# KiCad board Panel2.kicad_pcb
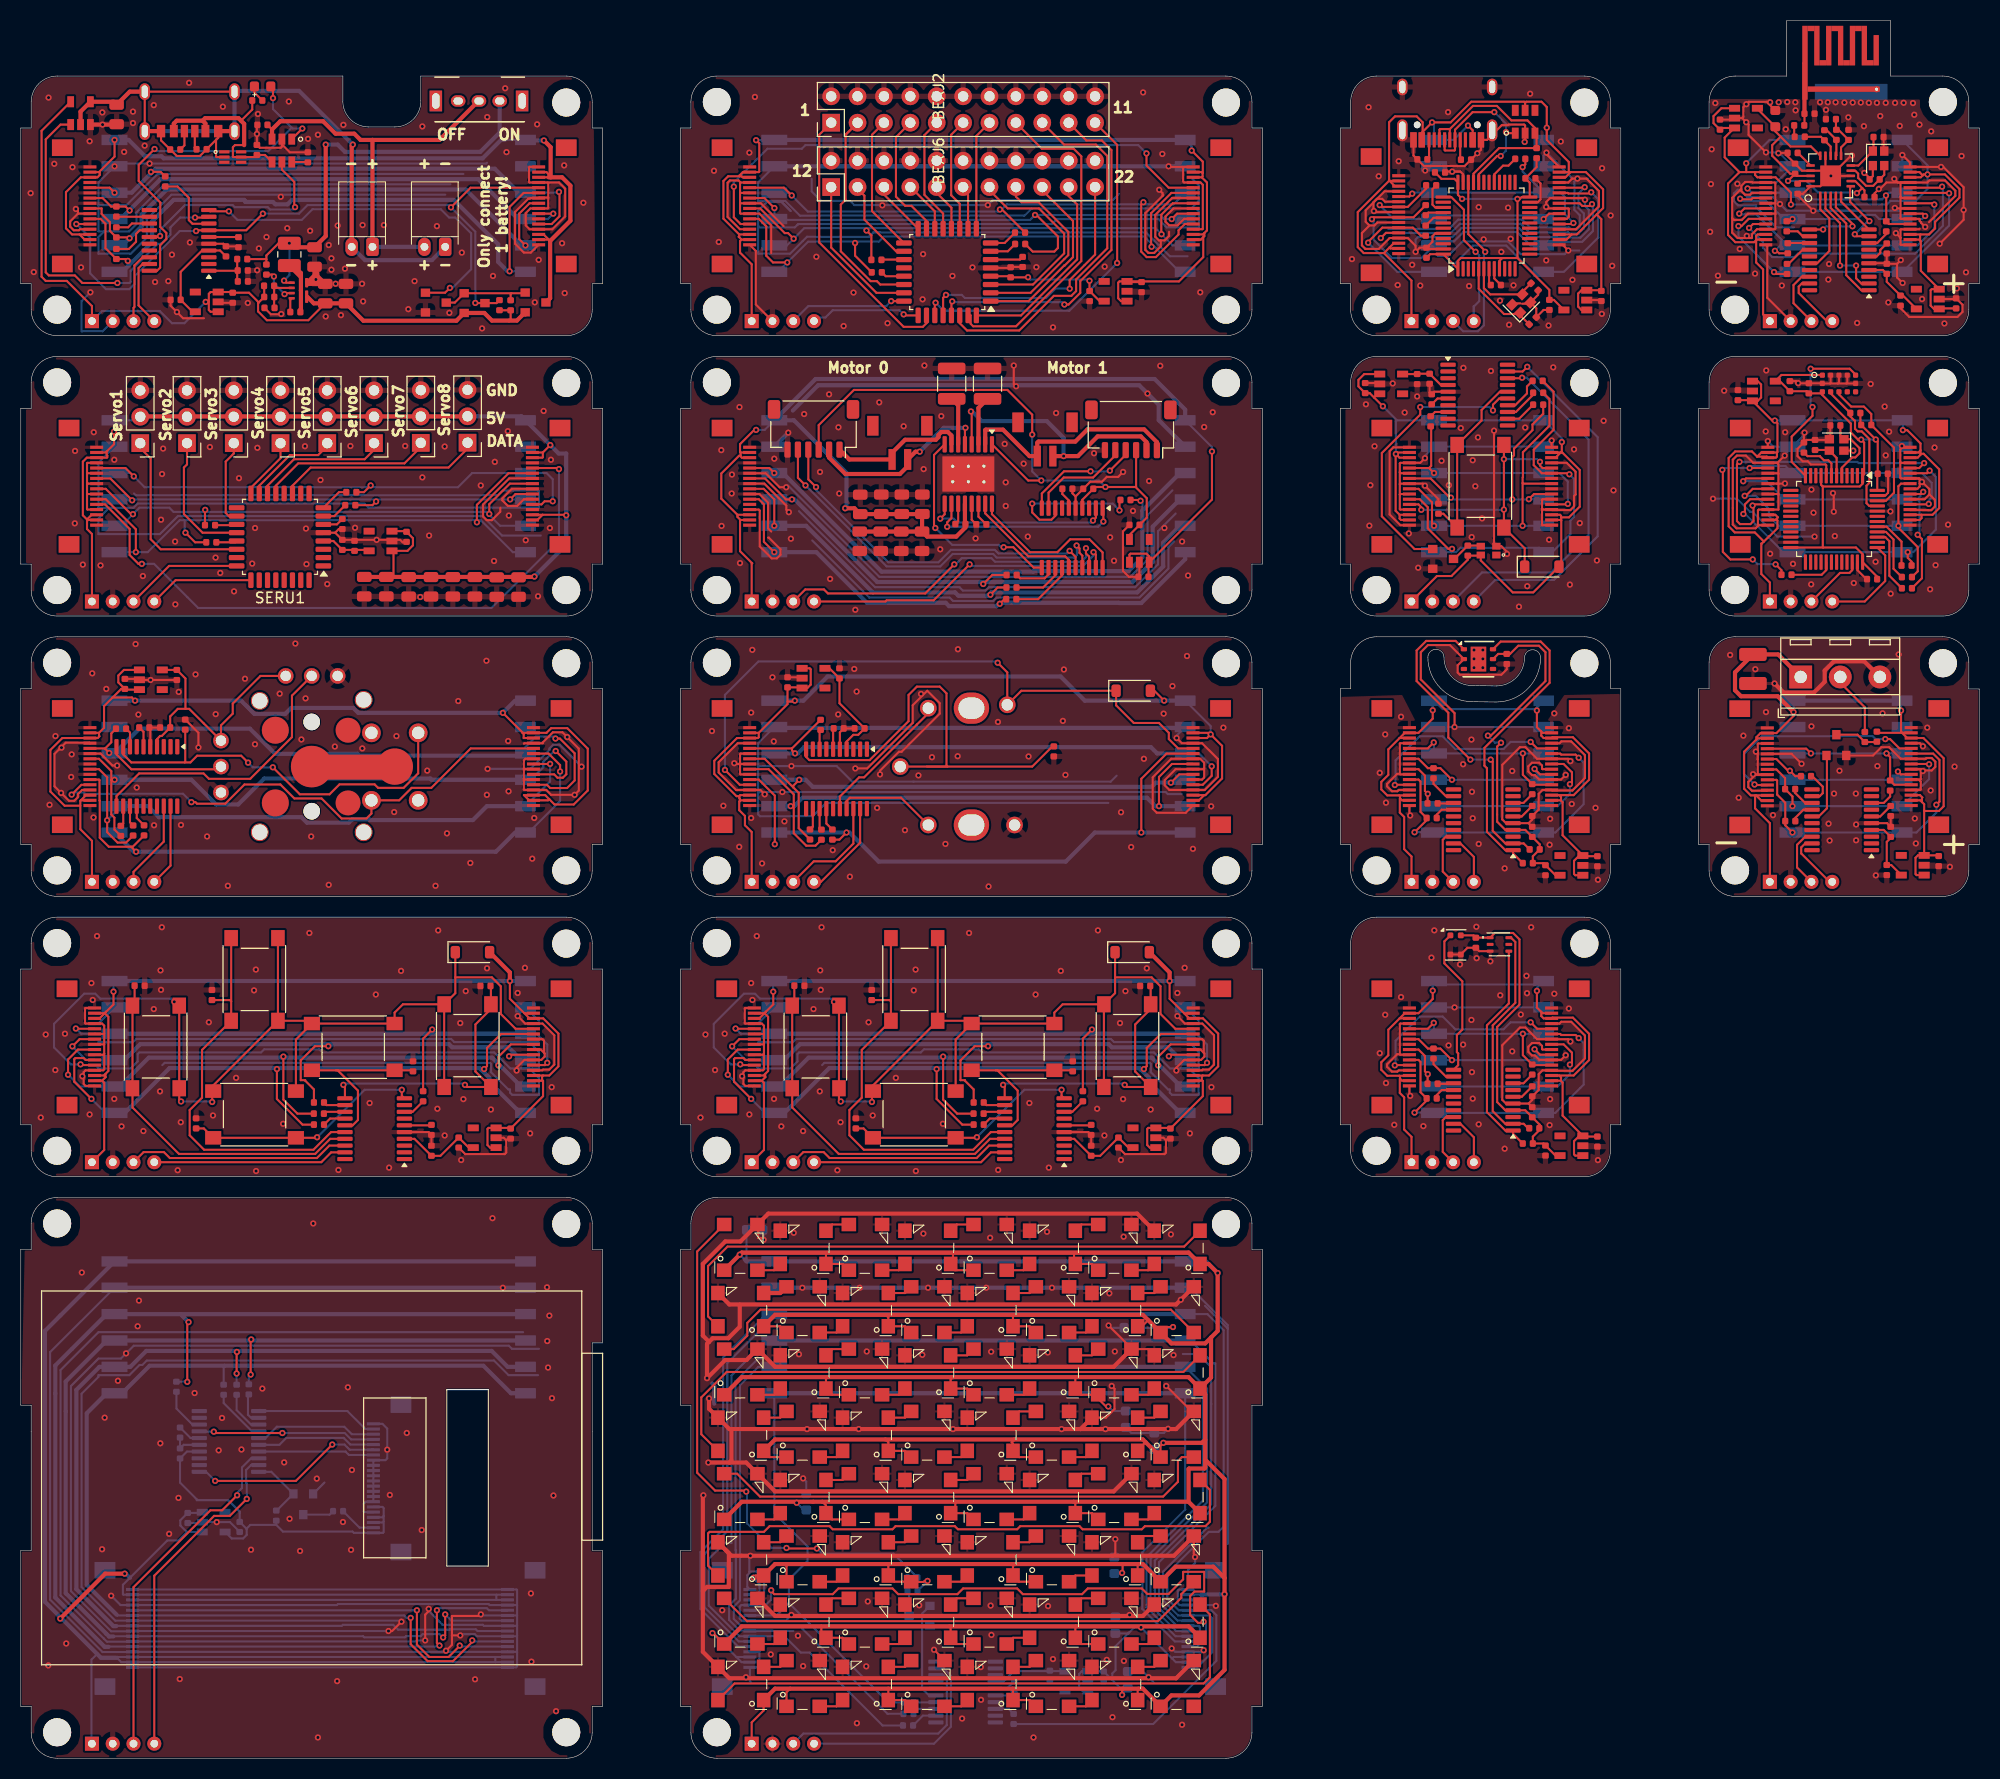
[diagram p0: board, top side]
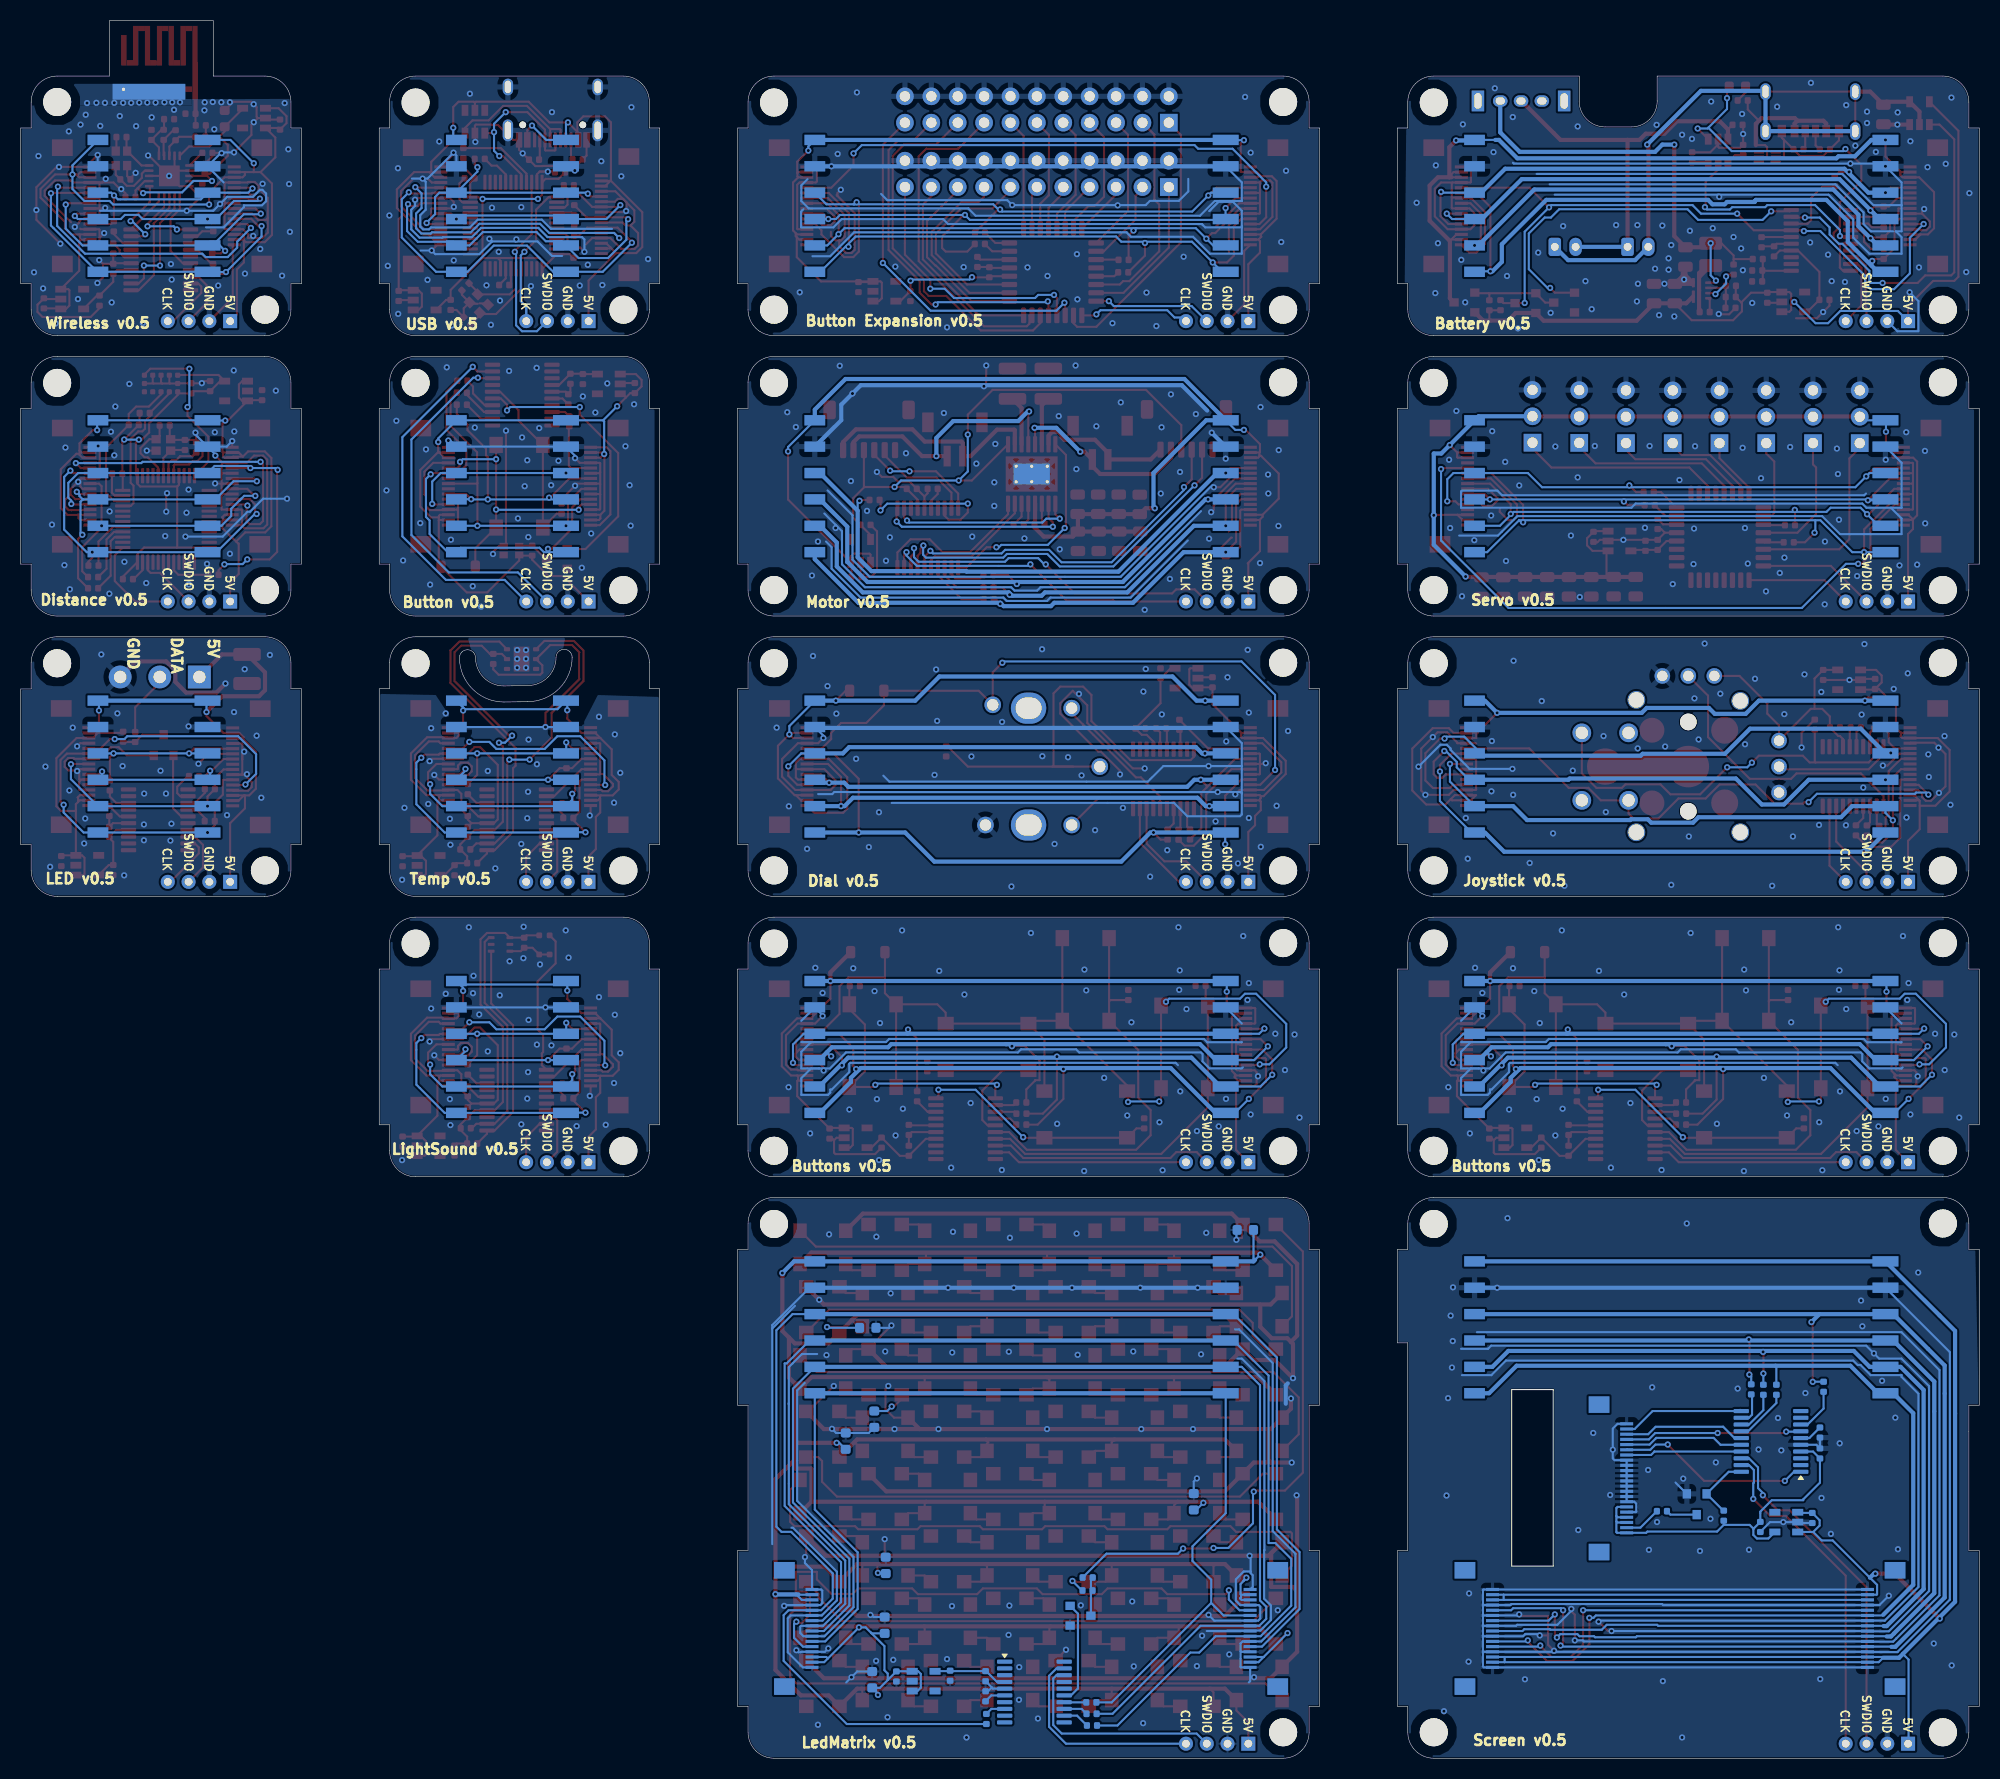
[diagram p1: board, bottom side, seen from below]

Outline 188.5 x 167.32 mm; copper layers: Top, Bottom. Coordinates in mm from the lower left corner of the outline.
Outline path: 31,159.6 31,162 3.5,162 arc(1.73,161.27) 1,159.5 1,157 0,157 0,142 1,142 1,139.5 arc(1.73,137.73) 3.5,137 52.5,137 arc(54.27,137.73) 55,139.5 55,142 56,142 56,157 55,157 55,159.5 arc(54.27,161.27) 52.5,162 38.5,162 38.5,159.6 ; 30.99,159.6 arc(31.73,157.83) 33.49,157.1 36.01,157.1 arc(37.78,157.83) 38.51,159.6 ; 0,130 0,115 1,115 1,112.5 arc(1.73,110.73) 3.5,110 52.5,110 arc(54.27,110.73) 55,112.5 55,115 56,115 56,130 55,130 55,132.5 arc(54.27,134.27) 52.5,135 3.5,135 arc(1.73,134.27) 1,132.5 1,130 0,130 ; 0,103 0,88 1,88 1,85.5 arc(1.73,83.73) 3.5,83 52.5,83 arc(54.27,83.73) 55,85.5 55,88 56,88 56,103 55,103 55,105.5 arc(54.27,107.27) 52.5,108 3.5,108 arc(1.73,107.27) 1,105.5 1,103 0,103 ; 0,76 0,61 1,61 1,58.5 arc(1.73,56.73) 3.5,56 52.5,56 arc(54.27,56.73) 55,58.5 55,61 56,61 56,76 55,76 55,78.5 arc(54.27,80.27) 52.5,81 3.5,81 arc(1.73,80.27) 1,78.5 1,76 0,76 ; 0,49 0,34 1,34 1,20 0,20 0,5 1,5 1,2.5 arc(1.73,0.73) 3.5,0 52.5,0 arc(54.27,0.73) 55,2.5 55,5 56,5 56,20 55,20 55,40 56,40 56,49 55,49 55,51.5 arc(54.27,53.27) 52.5,54 3.5,54 arc(1.73,53.27) 1,51.5 1,49 0,49 ; 41,35.5 41,18.5 45,18.5 45,35.5 41,35.5 ; 63.5,157 63.5,142 64.5,142 64.5,139.5 arc(65.23,137.73) 67,137 116,137 arc(117.77,137.73) 118.5,139.5 118.5,142 119.5,142 119.5,157 118.5,157 118.5,159.5 arc(117.77,161.27) 116,162 67,162 arc(65.23,161.27) 64.5,159.5 64.5,157 63.5,157 ; 63.5,130 63.5,115 64.5,115 64.5,112.5 arc(65.23,110.73) 67,110 116,110 arc(117.77,110.73) 118.5,112.5 118.5,115 119.5,115 119.5,130 118.5,130 118.5,132.5 arc(117.77,134.27) 116,135 67,135 arc(65.23,134.27) 64.5,132.5 64.5,130 63.5,130 ; 63.5,103 63.5,88 64.5,88 64.5,85.5 arc(65.23,83.73) 67,83 116,83 arc(117.77,83.73) 118.5,85.5 118.5,88 119.5,88 119.5,103 118.5,103 118.5,105.5 arc(117.77,107.27) 116,108 67,108 arc(65.23,107.27) 64.5,105.5 64.5,103 63.5,103 ; 63.5,76 63.5,61 64.5,61 64.5,58.5 arc(65.23,56.73) 67,56 116,56 arc(117.77,56.73) 118.5,58.5 118.5,61 119.5,61 119.5,76 118.5,76 118.5,78.5 arc(117.77,80.27) 116,81 67,81 arc(65.23,80.27) 64.5,78.5 64.5,76 63.5,76 ; 63.5,49 63.5,34 64.5,34 64.5,20 63.5,20 63.5,5 64.5,5 64.5,2.5 arc(65.23,0.73) 67,0 116,0 arc(117.77,0.73) 118.5,2.5 118.5,5 119.5,5 119.5,20 118.5,20 118.5,34 119.5,34 119.5,49 118.5,49 118.5,51.5 arc(117.77,53.27) 116,54 67,54 arc(65.23,53.27) 64.5,51.5 64.5,49 63.5,49 ; 127,157 127,142 128,142 128,139.5 arc(128.73,137.73) 130.5,137 150.5,137 arc(152.27,137.73) 153,139.5 153,142 154,142 154,157 153,157 153,159.5 arc(152.27,161.27) 150.5,162 130.5,162 arc(128.73,161.27) 128,159.5 128,157 127,157 ; 127,115 127,130 128,130 128,132.5 arc(128.73,134.27) 130.5,135 150.5,135 arc(152.27,134.27) 153,132.5 153,130 154,130 154,115 153,115 153,112.5 arc(152.27,110.73) 150.5,110 130.5,110 arc(128.73,110.73) 128,112.5 128,115 127,115 ; 127,103 127,88 128,88 128,85.5 arc(128.73,83.73) 130.5,83 150.5,83 arc(152.27,83.73) 153,85.5 153,88 154,88 154,103 153,103 153,105.5 arc(152.27,107.27) 150.5,108 130.5,108 arc(128.73,107.27) 128,105.5 128,103 127,103 ; 127,76 127,61 128,61 128,58.5 arc(128.73,56.73) 130.5,56 150.5,56 arc(152.27,56.73) 153,58.5 153,61 154,61 154,76 153,76 153,78.5 arc(152.27,80.27) 150.5,81 130.5,81 arc(128.73,80.27) 128,78.5 128,76 127,76 ; 135.43,106.04 arc(136.22,106.79) 136.98,106.02 arc(137.78,104.1) 139.69,103.31 142,103.27 arc(143.93,104.07) 144.73,106 arc(145.51,106.76) 146.28,106 arc(145.03,102.97) 142,101.72 139.7,101.75 arc(136.68,103.01) 135.43,106.04 ; 161.5,157 161.5,142 162.5,142 162.5,139.5 arc(163.23,137.73) 165,137 185,137 arc(186.77,137.73) 187.5,139.5 187.5,142 188.5,142 188.5,157 187.5,157 187.5,159.5 arc(186.77,161.27) 185,162 179.97,162 179.97,167.33 169.97,167.33 169.97,162 165,162 arc(163.23,161.27) 162.5,159.5 162.5,157 161.5,157 ; 161.5,130 161.5,115 162.5,115 162.5,112.5 arc(163.23,110.73) 165,110 185,110 arc(186.77,110.73) 187.5,112.5 187.5,115 188.5,115 188.5,130 187.5,130 187.5,132.5 arc(186.77,134.27) 185,135 165,135 arc(163.23,134.27) 162.5,132.5 162.5,130 161.5,130 ; 161.5,103 161.5,88 162.5,88 162.5,85.5 arc(163.23,83.73) 165,83 185,83 arc(186.77,83.73) 187.5,85.5 187.5,87.98 188.5,87.98 188.5,102.98 187.5,102.98 187.5,105.5 arc(186.77,107.27) 185,108 165,108 arc(163.23,107.27) 162.5,105.5 162.5,103 161.5,103
Stack: Top 0.035mm / dielectric 1.51mm FR4 er 4.5 / Bottom 0.035mm

## Placement (name value [footprint] x y rotation side)
BATC1  0.1uF  [C_0402_1005Metric]  20.95 146 0 top
BATC2  4.7uF  [C_0402_1005Metric]  19.75 145.12 180 top
BATC3  0.1uF  [C_0402_1005Metric]  21.36 143.28 90 top
BATC5  22uF_25V  [C_0805_2012Metric]  28.27 144.57 0 top
BATC6  10nF  [C_0402_1005Metric]  26.43 139.28 270 top
BATC7  10pF  [C_0402_1005Metric]  23.9 141.8 90 top
BATC8  4.7uF  [C_0402_1005Metric]  20.4 140.65 0 top
BATC9  4.7uF  [C_0402_1005Metric]  14.9 140.45 270 top
BATC10  22uF_25V  [C_0805_2012Metric]  31.3 141.05 180 top
BATC11  22uF_25V  [C_0805_2012Metric]  29.3 141.05 180 top
BATC13  4.7uF  [C_0402_1005Metric]  22.73 154.88 180 top
BATC14  4.7uF  [C_0402_1005Metric]  23.26 157.3 270 top
BATD2  red_led  [LED_SML-D12D1WT86]  23.27 161 270 top
BATH1  M2.5MountingHole  [MountingHole_2.7mm_M2.5_ISO7380]  3.5 139.5 0 top
BATH2  M2.5MountingHole  [MountingHole_2.7mm_M2.5_ISO7380]  52.5 159.45 0 top
BATIC1  -  [USBLC6-2P6]  20.4 154.2 270 top
BATIGNORE1  Battery v0.5  [BoardText]  47.8 137.3 0 top
BATIGNORE2  ON  [BoardText]  47.04 155.5 180 bottom
BATIGNORE3  OFF  [BoardText]  41.45 155.5 180 bottom
BATIGNORE4  +  [BoardText]  38.85 143 180 bottom
BATIGNORE4#2  +  [BoardText]  38.85 152.76 180 bottom
BATIGNORE5  -  [BoardText]  40.85 143 180 bottom
BATIGNORE5#2  -  [BoardText]  40.85 152.76 180 bottom
BATIGNORE6  -  [BoardText]  31.79 152.75 180 bottom
BATIGNORE6#2  -  [BoardText]  31.79 142.99 180 bottom
BATIGNORE7  +  [BoardText]  33.84 152.75 180 bottom
BATIGNORE7#2  +  [BoardText]  33.84 142.99 180 bottom
BATIGNORE8  Only connect  [BoardText]  45.45 148.45 270 bottom
BATIGNORE9  1 battery!  [BoardText]  45.45 148.65 90 bottom
BATJ1  -  [FFC_connector_16p_hinge_lock]  5.5 149.5 180 top
BATJ2  USB_C_power_only_connector  [USB_C_Receptacle_power_only_6P]  16.25 158.6 0 top
BATJ3  -  [FFC_connector_16p_hinge_lock]  51 149.5 0 top
BATJ4  swd_4pin  [swd_header]  6.85 138.4 90 top
BATJ5  ConnBattery_JST_S2B-PH-K-S  [JST_PH_S2B-PH-K_1x02_P2.00mm_Horizontal]  32.85 145.55 180 top
BATJ6  -  [01x06_2.54mm_Female]  48.4 149.5 0 bottom
BATJ7  -  [01x06_2.54mm_Male]  9.1 149.5 180 bottom
BATJ8  ConnBattery_JST_S2B-PH-K-S  [JST_PH_S2B-PH-K_1x02_P2.00mm_Horizontal]  39.85 145.55 180 top
BATL1  1uH_3.2A  [L_1008_2520Metric]  25.85 144.82 90 top
BATQ2  PMOS_2A  [SOT-23]  43.67 140.13 270 top
BATQ5  N_MOSFET  [SOT-23]  39.95 140.19 270 top
BATQ6  PMOS_2A  [SOT-23]  49.55 140.2 270 top
BATR1  75R  [R_0402_1005Metric]  13.9 151.85 180 top
BATR2  75R  [R_0402_1005Metric]  9.2 144.87 0 top
BATR3  75R  [R_0402_1005Metric]  9.2 148.95 180 top
BATR4  75R  [R_0402_1005Metric]  9.2 146.95 0 top
BATR9  510K  [R_0402_1005Metric]  23.91 140.72 90 top
BATR10  150K  [R_0402_1005Metric]  23.94 139.68 270 top
BATR11  5.1K  [R_0402_1005Metric]  14.87 154.93 270 top
BATR12  5.1K  [R_0402_1005Metric]  17.4 154.95 90 top
BATR13  0.01R  [R_0805_2012Metric]  9.22 158.3 0 top
BATR14  100K  [R_0402_1005Metric]  21.32 144.38 270 top
BATR15  100K  [R_0402_1005Metric]  21.38 142.22 90 top
BATR16  330R  [R_0402_1005Metric]  22.77 159.65 90 top
BATR17  5.1K  [R_0402_1005Metric]  27.63 154.18 180 top
BATR18  10K  [R_0402_1005Metric]  23.64 143.37 0 top
BATR19  10K  [R_0402_1005Metric]  47.15 139.93 180 top
BATR20  100K  [R_0402_1005Metric]  46.08 139.94 180 top
BATSW1  -  [side_spst_switch]  44.1 159.6 180 top
BATU2  ME6211C33M5G-N  [SOT-23-5]  17.9 140.25 90 top
BATU3  STM32G030F6P6  [TSSOP-20_4.4x6.5mm_P0.65mm]  15.24 146.18 180 top
BATU5  -  [TPS61230A]  26.77 141.35 90 top
BATU6  INA180A3  [SOT-23-5]  5.75 158.43 0 top
BATU8  TP4057  [SOT-23-6]  25.13 154.82 180 top
BEXC3  0.1uF  [C_0402_1005Metric]  96.42 144.1 0 top
BEXC4  4.7uF  [C_0402_1005Metric]  95.28 143.1 180 top
BEXC8  4.7uF  [C_0402_1005Metric]  107.88 141.68 0 top
BEXC9  4.7uF  [C_0402_1005Metric]  102.88 140.81 0 top
BEXH1  M2.5MountingHole  [MountingHole_2.7mm_M2.5_ISO7380]  67 139.5 0 top
BEXH2  M2.5MountingHole  [MountingHole_2.7mm_M2.5_ISO7380]  116 159.45 0 top
BEXH3  M2.5MountingHole  [MountingHole_2.7mm_M2.5_ISO7380]  67 159.5 0 top
BEXH4  M2.5MountingHole  [MountingHole_2.7mm_M2.5_ISO7380]  116 139.5 0 top
BEXIGNORE1  Button Expansion v0.5  [BoardText]  104.42 137.57 0 top
BEXIGNORE2  1  [BoardText]  75.48 157.85 180 bottom
BEXIGNORE3  11  [BoardText]  106.07 158.11 180 bottom
BEXIGNORE4  12  [BoardText]  75.19 151.99 180 bottom
BEXIGNORE5  22  [BoardText]  106.19 151.43 180 bottom
BEXJ1  -  [01x06_2.54mm_Male]  72.6 149.5 180 bottom
BEXJ2  Conn_02x11_Odd_Even  [PinHeader_2x11_P2.54mm_Vertical]  90.69 158.76 90 top
BEXJ3  -  [01x06_2.54mm_Female]  111.9 149.5 0 bottom
BEXJ4  swd_4pin  [swd_header]  70.35 138.4 90 top
BEXJ5  -  [FFC_connector_16p_hinge_lock]  69 149.5 180 top
BEXJ6  Conn_02x11_Odd_Even  [PinHeader_2x11_P2.54mm_Vertical]  90.69 152.56 90 top
BEXJ7  -  [FFC_connector_16p_hinge_lock]  114 149.5 0 top
BEXR5  75R  [R_0402_1005Metric]  96.19 145.82 90 top
BEXR6  75R  [R_0402_1005Metric]  82.36 144.3 270 top
BEXR7  75R  [R_0402_1005Metric]  82.39 143.1 270 top
BEXR8  75R  [R_0402_1005Metric]  96.18 146.93 90 top
BEXU1  STM32G030K6T6  [LQFP-32_7x7mm_P0.8mm]  89.17 143.12 180 top
BEXU2  ME6211C33M5G-N  [SOT-23-5]  105.38 141.28 90 top
BLKC1  0.1uF  [C_0402_1005Metric]  103.03 60.51 0 top
BLKC2  4.7uF  [C_0402_1005Metric]  103.03 58.5 180 top
BLKC8  4.7uF  [C_0402_1005Metric]  110.65 60.16 0 top
BLKC9  4.7uF  [C_0402_1005Metric]  105.65 59.29 0 top
BLKD2  1N4148W  [D_SOD-123]  106.97 77.62 0 top
BLKH1  M2.5MountingHole  [MountingHole_2.7mm_M2.5_ISO7380]  67 58.5 0 top
BLKH2  M2.5MountingHole  [MountingHole_2.7mm_M2.5_ISO7380]  116 78.45 0 top
BLKH3  M2.5MountingHole  [MountingHole_2.7mm_M2.5_ISO7380]  67 78.5 0 top
BLKH4  M2.5MountingHole  [MountingHole_2.7mm_M2.5_ISO7380]  116 58.5 0 top
BLKIGNORE1  Buttons v0.5  [BoardText]  109.5 56.17 0 top
BLKJ1  -  [01x06_2.54mm_Male]  72.6 68.5 180 bottom
BLKJ2  -  [01x06_2.54mm_Female]  111.9 68.5 0 bottom
BLKJ3  -  [FFC_connector_16p_hinge_lock]  114 68.5 0 top
BLKJ4  swd_4pin  [swd_header]  70.35 57.4 90 top
BLKJ5  -  [FFC_connector_16p_hinge_lock]  69.45 68.5 180 top
BLKR1  75R  [R_0402_1005Metric]  102.22 63.75 180 top
BLKR2  75R  [R_0402_1005Metric]  92.2 61.02 270 top
BLKR3  75R  [R_0402_1005Metric]  92.2 63.15 270 top
BLKR4  75R  [R_0402_1005Metric]  92.19 62.08 270 top
BLKR5  10K  [R_0402_1005Metric]  81.9 73.5 0 top
BLKR6  10K  [R_0402_1005Metric]  74.94 74.4 270 top
BLKR7  10K  [R_0402_1005Metric]  108.22 74.38 90 top
BLKR8  10K  [R_0402_1005Metric]  80.38 61.14 0 top
BLKR9  10K  [R_0402_1005Metric]  101.25 66.64 0 top
BLKSW1  button_6x6x7  [SW_SPST_PTS645]  76.5 68.5 90 top
BLKSW2  button_6x6x7  [SW_SPST_PTS645]  86 75 90 top
BLKSW3  button_6x6x7  [SW_SPST_PTS645]  95.5 68.5 180 top
BLKSW4  button_6x6x7  [SW_SPST_PTS645]  86 62 180 top
BLKSW6  button_6x6x7  [SW_SPST_PTS645]  106.5 68.62 270 top
BLKU2  ME6211C33M5G-N  [SOT-23-5]  108.15 59.75 90 top
BLKU3  STM32G030F6P6  [TSSOP-20_4.4x6.5mm_P0.65mm]  97.56 60.62 180 top
BTSC1  0.1uF  [C_0402_1005Metric]  39.52 60.51 0 top
BTSC2  4.7uF  [C_0402_1005Metric]  39.52 58.5 180 top
BTSC8  4.7uF  [C_0402_1005Metric]  47.15 60.16 0 top
BTSC9  4.7uF  [C_0402_1005Metric]  42.15 59.29 0 top
BTSD2  1N4148W  [D_SOD-123]  43.48 77.62 0 top
BTSH1  M2.5MountingHole  [MountingHole_2.7mm_M2.5_ISO7380]  3.5 58.5 0 top
BTSH2  M2.5MountingHole  [MountingHole_2.7mm_M2.5_ISO7380]  52.5 78.45 0 top
BTSH3  M2.5MountingHole  [MountingHole_2.7mm_M2.5_ISO7380]  3.5 78.5 0 top
BTSH4  M2.5MountingHole  [MountingHole_2.7mm_M2.5_ISO7380]  52.5 58.5 0 top
BTSIGNORE1  Buttons v0.5  [BoardText]  46 56.17 0 top
BTSJ1  -  [01x06_2.54mm_Male]  9.1 68.5 180 bottom
BTSJ2  -  [01x06_2.54mm_Female]  48.4 68.5 0 bottom
BTSJ3  -  [FFC_connector_16p_hinge_lock]  50.5 68.5 0 top
BTSJ4  swd_4pin  [swd_header]  6.85 57.4 90 top
BTSJ5  -  [FFC_connector_16p_hinge_lock]  5.95 68.5 180 top
BTSR1  75R  [R_0402_1005Metric]  38.73 63.75 180 top
BTSR2  75R  [R_0402_1005Metric]  28.7 61.02 270 top
BTSR3  75R  [R_0402_1005Metric]  28.7 63.15 270 top
BTSR4  75R  [R_0402_1005Metric]  28.69 62.08 270 top
BTSR5  10K  [R_0402_1005Metric]  18.4 73.5 0 top
BTSR6  10K  [R_0402_1005Metric]  11.44 74.4 270 top
BTSR7  10K  [R_0402_1005Metric]  44.73 74.38 90 top
BTSR8  10K  [R_0402_1005Metric]  16.88 61.14 0 top
BTSR9  10K  [R_0402_1005Metric]  37.75 66.64 0 top
BTSSW1  button_6x6x7  [SW_SPST_PTS645]  13 68.5 90 top
BTSSW2  button_6x6x7  [SW_SPST_PTS645]  22.5 75 90 top
BTSSW3  button_6x6x7  [SW_SPST_PTS645]  32 68.5 180 top
BTSSW4  button_6x6x7  [SW_SPST_PTS645]  22.5 62 180 top
BTSSW6  button_6x6x7  [SW_SPST_PTS645]  43 68.62 270 top
BTSU2  ME6211C33M5G-N  [SOT-23-5]  44.65 59.75 90 top
BTSU3  STM32G030F6P6  [TSSOP-20_4.4x6.5mm_P0.65mm]  34.06 60.62 180 top
BUTC1  0.1uF  [C_0402_1005Metric]  135.8 130.87 180 top
BUTC2  4.7uF  [C_0402_1005Metric]  135.6 132.85 0 top
BUTC8  4.7uF  [C_0402_1005Metric]  129.4 131.95 180 top
BUTC9  4.7uF  [C_0402_1005Metric]  134.4 132.81 0 top
BUTD2  ws2812b_1615  [WS2812B_1615]  141.28 116.3 180 top
BUTD3  1N4148W  [D_SOD-123]  146.4 114.75 0 top
BUTH1  M2.5MountingHole  [MountingHole_2.7mm_M2.5_ISO7380]  130.5 112.5 0 top
BUTH2  M2.5MountingHole  [MountingHole_2.7mm_M2.5_ISO7380]  150.5 132.45 0 top
BUTIGNORE1  Button v0.5  [BoardText]  147.35 110.47 0 top
BUTJ1  -  [FFC_connector_16p_hinge_lock]  132.5 122.5 180 top
BUTJ2  -  [01x06_2.54mm_Male]  136.1 122.5 180 bottom
BUTJ3  -  [FFC_connector_16p_hinge_lock]  148.5 122.5 0 top
BUTJ4  swd_4pin  [swd_header]  133.85 111.4 90 top
BUTJ5  -  [01x06_2.54mm_Female]  146.4 122.5 0 bottom
BUTQ1  N_MOSFET  [SOT-23]  136.9 115.5 270 top
BUTR1  75R  [R_0402_1005Metric]  135.7 128.75 0 top
BUTR2  75R  [R_0402_1005Metric]  146 132.65 90 top
BUTR3  75R  [R_0402_1005Metric]  146.05 130.35 90 top
BUTR4  75R  [R_0402_1005Metric]  146.05 131.5 90 top
BUTR5  10K  [R_0402_1005Metric]  136.45 120.34 0 top
BUTR6  1K  [R_0402_1005Metric]  139.28 116.3 180 top
BUTSW2  button_6x6x7  [SW_SPST_PTS645]  140.5 122.5 90 top
BUTU2  ME6211C33M5G-N  [SOT-23-5]  131.9 132.35 270 top
BUTU3  STM32G030F6P6  [TSSOP-20_4.4x6.5mm_P0.65mm]  140.24 131.28 0 top
DIAC1  0.1uF  [C_0402_1005Metric]  78.73 99.17 90 top
DIAC2  4.7uF  [C_0402_1005Metric]  80.74 99.17 270 top
DIAC8  4.7uF  [C_0402_1005Metric]  73.8 103.62 180 top
DIAC9  4.7uF  [C_0402_1005Metric]  78.8 104.48 180 top
DIAD2  1N4148W  [D_SOD-123]  107.08 102.8 0 top
DIAH1  M2.5MountingHole  [MountingHole_2.7mm_M2.5_ISO7380]  67 85.5 0 top
DIAH2  M2.5MountingHole  [MountingHole_2.7mm_M2.5_ISO7380]  116 105.45 0 top
DIAH3  M2.5MountingHole  [MountingHole_2.7mm_M2.5_ISO7380]  67 105.5 0 top
DIAH4  M2.5MountingHole  [MountingHole_2.7mm_M2.5_ISO7380]  116 85.5 0 top
DIAIGNORE1  Dial v0.5  [BoardText]  109.33 83.63 0 top
DIAJ1  -  [FFC_connector_16p_hinge_lock]  69 95.5 180 top
DIAJ2  -  [FFC_connector_16p_hinge_lock]  113.98 95.5 0 top
DIAJ3  -  [01x06_2.54mm_Male]  72.6 95.5 180 bottom
DIAJ4  swd_4pin  [swd_header]  70.35 84.4 90 top
DIAJ5  -  [01x06_2.54mm_Female]  111.9 95.5 0 bottom
DIAR1  75R  [R_0402_1005Metric]  76.98 99.52 180 top
DIAR2  75R  [R_0402_1005Metric]  78.12 88.95 0 top
DIAR3  75R  [R_0402_1005Metric]  75.96 88.96 0 top
DIAR4  75R  [R_0402_1005Metric]  77.06 88.94 0 top
DIAR5  10K  [R_0402_1005Metric]  99.43 96.96 180 top
DIASW7  RotaryEncoder_Switch  [RotaryEncoderEC12D]  91.5 95.5 90 top
DIAU2  ME6211C33M5G-N  [SOT-23-5]  76.3 104.02 270 top
DIAU3  STM32G030F6P6  [TSSOP-20_4.4x6.5mm_P0.65mm]  78.51 94.31 270 top
DISC3  4.7uF  [C_0402_1005Metric]  172.1 131.93 180 top
DISC4  4.7uF  [C_0402_1005Metric]  179.22 123.7 90 top
DISC5  4.7uF  [C_0402_1005Metric]  178.19 113.55 270 top
DISC6  12pF  [C_0402_1005Metric]  174.65 128.35 90 top
DISC7  12pF  [C_0402_1005Metric]  172.7 126.47 0 top
DISC8  4.7uF  [C_0402_1005Metric]  165.28 131.27 180 top
DISC9  4.7uF  [C_0402_1005Metric]  170.28 132.13 180 top
DISC11  0.1uF  [C_0402_1005Metric]  171.62 126.22 0 top
DISH1  M2.5MountingHole  [MountingHole_2.7mm_M2.5_ISO7380]  165 112.5 0 top
DISH2  M2.5MountingHole  [MountingHole_2.7mm_M2.5_ISO7380]  185 132.45 0 top
DISIGNORE1  Distance v0.5  [BoardText]  181.45 110.7 0 top
DISJ1  -  [01x06_2.54mm_Male]  170.6 122.5 180 bottom
DISJ2  -  [01x06_2.54mm_Female]  180.9 122.5 0 bottom
DISJ3  -  [FFC_connector_16p_hinge_lock]  183 122.5 0 top
DISJ4  swd_4pin  [swd_header]  168.35 111.4 90 top
DISJ5  -  [FFC_connector_16p_hinge_lock]  167 122.5 180 top
DISR5  10K  [R_0402_1005Metric]  177.62 128.4 270 top
DISR6  10K  [R_0402_1005Metric]  176.57 129.55 90 top
DISR7  75R  [R_0402_1005Metric]  181.54 112.67 90 top
DISR8  75R  [R_0402_1005Metric]  181.54 113.75 90 top
DISR9  75R  [R_0402_1005Metric]  181.5 114.86 90 top
DISR10  75R  [R_0402_1005Metric]  169.95 113.97 270 top
DISU1  -  [VL53L3CXV0DH]  175 132.39 180 top
DISU2  ME6211C33M5G-N  [SOT-23-5]  167.78 131.67 270 top
DISU3  STM32F103C8T6  [LQFP-48_7x7mm_P0.5mm]  174.53 119.35 270 top
DISY1  Crystal_16M_small  [Crystal_SMD_2016-4Pin_2.0x1.6mm]  174.78 126.47 180 top
JOYC1  0.1uF  [C_0402_1005Metric]  11.88 99.26 90 top
JOYC2  4.7uF  [C_0402_1005Metric]  13.89 99.26 270 top
JOYC8  4.7uF  [C_0402_1005Metric]  10.02 103.46 180 top
JOYC9  4.7uF  [C_0402_1005Metric]  15.02 104.33 0 top
JOYH1  M2.5MountingHole  [MountingHole_2.7mm_M2.5_ISO7380]  3.5 85.5 0 top
JOYH2  M2.5MountingHole  [MountingHole_2.7mm_M2.5_ISO7380]  52.5 105.45 0 top
JOYH3  M2.5MountingHole  [MountingHole_2.7mm_M2.5_ISO7380]  3.5 105.5 0 top
JOYH4  M2.5MountingHole  [MountingHole_2.7mm_M2.5_ISO7380]  52.5 85.5 0 top
JOYIGNORE1  Joystick v0.5  [BoardText]  46.02 83.68 0 top
JOYJ1  -  [01x06_2.54mm_Male]  9.1 95.5 180 bottom
JOYJ2  -  [FFC_connector_16p_hinge_lock]  5.5 95.5 180 top
JOYJ3  -  [01x06_2.54mm_Female]  48.4 95.5 0 bottom
JOYJ4  swd_4pin  [swd_header]  6.85 84.4 90 top
JOYJ5  -  [FFC_connector_16p_hinge_lock]  50.5 95.5 0 top
JOYR1  75R  [R_0402_1005Metric]  9.65 99.15 270 top
JOYR2  75R  [R_0402_1005Metric]  11.87 89.36 0 top
JOYR3  75R  [R_0402_1005Metric]  9.63 89.31 0 top
JOYR4  75R  [R_0402_1005Metric]  10.81 89.34 0 top
JOYR6  10K  [R_0402_1005Metric]  15.83 99.54 0 top
JOYU1  -  [Joystick]  28 97.5 90 top
JOYU2  ME6211C33M5G-N  [SOT-23-5]  12.52 103.86 270 top
JOYU3  STM32G030F6P6  [TSSOP-20_4.4x6.5mm_P0.65mm]  12.14 94.55 270 top
LEDC1  0.1uF  [C_0402_1005Metric]  179.98 91.22 0 top
LEDC2  4.7uF  [C_0402_1005Metric]  179.98 89.22 180 top
LEDC4  47uF_16V  [C_1210_3225Metric]  166.72 104.9 0 top
LEDC8  4.7uF  [C_0402_1005Metric]  184.6 86.4 0 top
LEDC9  4.7uF  [C_0402_1005Metric]  179.6 85.53 0 top
LEDH1  M2.5MountingHole  [MountingHole_2.7mm_M2.5_ISO7380]  165 85.5 0 top
LEDH2  M2.5MountingHole  [MountingHole_2.7mm_M2.5_ISO7380]  185 105.45 0 top
LEDIGNORE1  LED v0.5  [BoardText]  182.8 83.85 0 top
LEDIGNORE2  GND  [BoardText]  179.82 106.42 90 top
LEDIGNORE3  DATA  [BoardText]  175.95 106.25 90 top
LEDIGNORE4  5V  [BoardText]  172.2 106.85 90 top
LEDJ1  -  [01x06_2.54mm_Male]  170.6 95.5 180 bottom
LEDJ2  TerminalBlock_3P_3.8_black  [TerminalBlock_03_P3.81mm_Horizontal]  175.12 104.13 0 top
LEDJ3  -  [01x06_2.54mm_Female]  180.9 95.5 0 bottom
LEDJ4  swd_4pin  [swd_header]  168.35 84.4 90 top
LEDJ5  -  [FFC_connector_16p_hinge_lock]  166.95 95.47 180 top
LEDJ7  -  [FFC_connector_16p_hinge_lock]  183.1 95.5 0 top
LEDQ3  N_MOSFET  [SOT-23]  174.75 97.57 0 top
LEDR1  75R  [R_0402_1005Metric]  179.93 93.67 180 top
LEDR2  75R  [R_0402_1005Metric]  170.31 90.25 270 top
LEDR3  75R  [R_0402_1005Metric]  171.82 94.58 270 top
LEDR4  75R  [R_0402_1005Metric]  170.3 93.33 270 top
LEDR5  1K  [R_0402_1005Metric]  177.49 98.35 180 top
LEDR7  1K  [R_0402_1005Metric]  178.65 98.38 0 top
LEDU2  ME6211C33M5G-N  [SOT-23-5]  182.1 86 90 top
LEDU3  STM32G030F6P6  [TSSOP-20_4.4x6.5mm_P0.65mm]  175.27 90.38 180 top
LIGC1  0.1uF  [C_0402_1005Metric]  145.48 64.22 0 top
LIGC2  4.7uF  [C_0402_1005Metric]  145.48 62.22 180 top
LIGC3  4.7uF  [C_0402_1005Metric]  140.05 78.53 0 top
LIGC8  4.7uF  [C_0402_1005Metric]  151.75 59.39 0 top
LIGC9  4.7uF  [C_0402_1005Metric]  146.75 58.52 0 top
LIGH1  M2.5MountingHole  [MountingHole_2.7mm_M2.5_ISO7380]  130.5 58.5 0 top
LIGH2  M2.5MountingHole  [MountingHole_2.7mm_M2.5_ISO7380]  150.5 78.45 0 top
LIGIGNORE1  LightSound v0.5  [BoardText]  146.7 57.8 0 top
LIGJ1  -  [01x06_2.54mm_Male]  136.1 68.5 180 bottom
LIGJ2  -  [01x06_2.54mm_Female]  146.4 68.5 0 bottom
LIGJ3  -  [FFC_connector_16p_hinge_lock]  148.5 68.5 0 top
LIGJ4  swd_4pin  [swd_header]  133.86 57.4 90 top
LIGJ5  -  [FFC_connector_16p_hinge_lock]  132.5 68.5 180 top
LIGR1  75R  [R_0402_1005Metric]  145.47 66.33 180 top
LIGR2  75R  [R_0402_1005Metric]  135.8 63.55 270 top
LIGR3  75R  [R_0402_1005Metric]  135.97 67.86 180 top
LIGR4  75R  [R_0402_1005Metric]  135.89 64.95 270 top
LIGR5  10K  [R_0402_1005Metric]  145.05 59.2 90 top
LIGR6  10K  [R_0402_1005Metric]  145.68 60.67 90 top
LIGU1  -  [LTR-381RGB]  142.32 78.38 0 top
LIGU2  ME6211C33M5G-N  [SOT-23-5]  149.25 58.98 90 top
LIGU3  STM32G030F6P6  [TSSOP-20_4.4x6.5mm_P0.65mm]  140.77 63.38 180 top
LIGU4  WMM7027ATSN1-4/TR  [LGA-4]  138.1 78.33 0 top
MATC1  4.7uF  [C_0402_1005Metric]  104.22 7.88 180 bottom
MATC2  4.7uF  [C_0402_1005Metric]  95.64 7.91 180 bottom
MATC3  4.7uF  [C_0402_1005Metric]  99.05 7.95 180 bottom
MATC4  0.1uF  [C_0402_1005Metric]  95.64 5.97 0 bottom
MATC6  22uF_10V  [C_0603_1608Metric]  109.1 30.54 0 bottom
MATC7  22uF_10V  [C_0603_1608Metric]  105.25 18.57 0 bottom
MATC8  22uF_10V  [C_0603_1608Metric]  70.64 50.88 270 bottom
MATC11  22uF_10V  [C_0603_1608Metric]  106.35 32.65 180 bottom
MATC12  22uF_10V  [C_0603_1608Metric]  106.97 41.45 90 bottom
MATC13  22uF_10V  [C_0603_1608Metric]  105.35 12.81 0 bottom
MATC15  22uF_10V  [C_0603_1608Metric]  106.55 7.56 0 bottom
MATC16  22uF_10V  [C_0603_1608Metric]  75.6 24.7 0 bottom
MATD1  WS2812B  [LED_WS2812B_PLCC4_5.0x5.0mm_P3.2mm]  69.3 49.2 0 top
MATD2  WS2812B  [LED_WS2812B_PLCC4_5.0x5.0mm_P3.2mm]  75.3 49.2 90 top
MATD3  WS2812B  [LED_WS2812B_PLCC4_5.0x5.0mm_P3.2mm]  81.3 49.2 0 top
MATD4  WS2812B  [LED_WS2812B_PLCC4_5.0x5.0mm_P3.2mm]  87.3 49.2 90 top
MATD5  WS2812B  [LED_WS2812B_PLCC4_5.0x5.0mm_P3.2mm]  93.3 49.2 0 top
MATD6  WS2812B  [LED_WS2812B_PLCC4_5.0x5.0mm_P3.2mm]  99.3 49.2 90 top